# Altium PCB PCB1.PcbDoc (part 3 of 4) (continued)
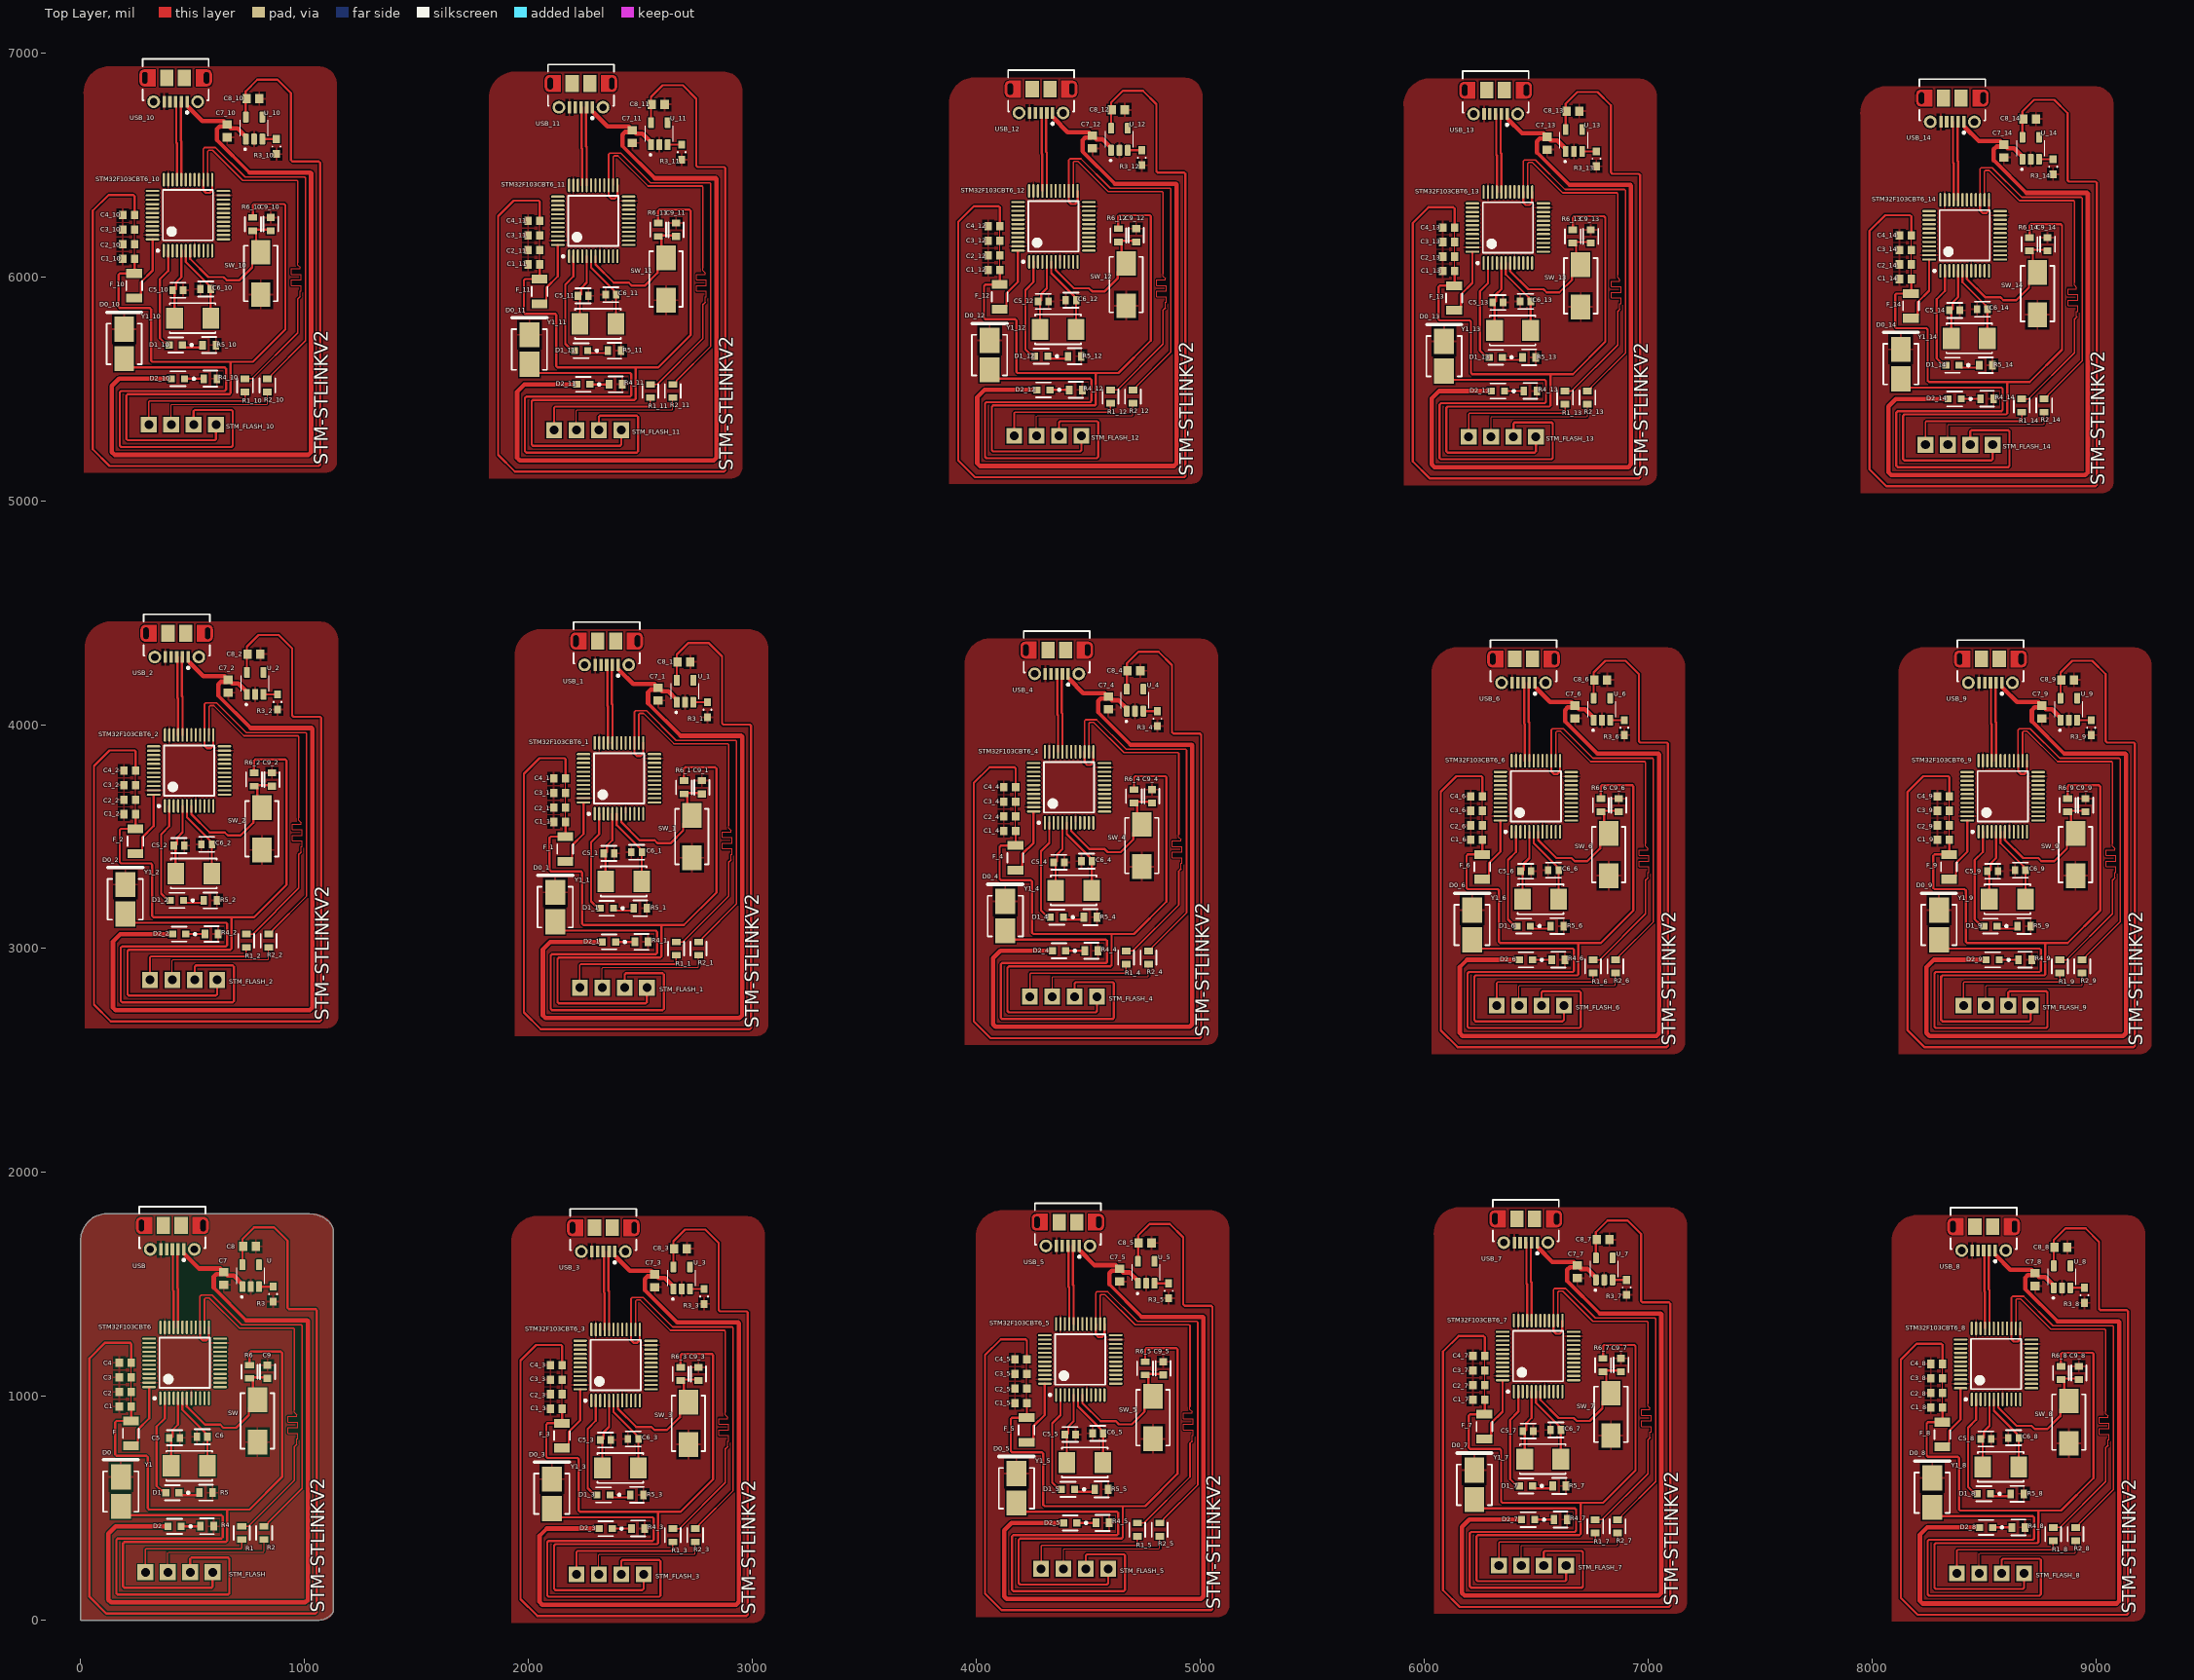
[diagram p0: Top Layer view]
## Nets (pads, with @x,y where several pads share a name; then routed paths per layer and width w, separated by ;. In a path a pad name is that pad's centre, name@x,y a point inside that pad or via, vN(x,y) a via of type N, cw(c..) or ccw(c..) an arc to the next point about the centre after c; other vN are vias at no path point) (continued)
  Top Layer w10: 195,5634.06 195,5624.06 224.06,5595 644.14,5595 650,5589.14 650,5495.86 644.14,5490 180.86,5490 175,5484.14 175,5245.86 180.86,5240 674.14,5240 680,5245.86 680,5399.14 674.14,5405 510.86,5405 505,5399.14 505,5340 ; 200,3154.06 200,3144.06 229.06,3115 649.14,3115 655,3109.14 655,3015.86 649.14,3010 185.86,3010 180,3004.14 180,2765.86 185.86,2760 679.14,2760 685,2765.86 685,2919.14 679.14,2925 515.86,2925 510,2919.14 510,2860 ; 240,5904.76 255.75,5904.76 270.43,5919.45 270.43,5976.17 321.54,6027.28 321.54,6166.73 ; 241.57,6080 241.57,6016.57 240,6015 175.86,6015 170,6009.14 170,5865.86 175.86,5860 309.14,5860 315,5854.14 315,5625.86 320.86,5620 670,5620 ; 241.57,6275 241.57,6359.14 235.72,6365 125,6365 55,6295 55,5230 130,5155 1064.14,5155 1070,5160.86 1070,6509.14 1064.14,6515 945.86,6515 940,6520.86 940,6820 880,6880 790,6880 737.99,6827.99 737.99,6795 737.99,6713.03 ; 245,3424.76 260.75,3424.76 275.43,3439.45 275.43,3496.17 326.54,3547.28 326.54,3686.73 ; 246.57,3600 246.57,3536.57 245,3535 180.86,3535 175,3529.14 175,3385.86 180.86,3380 314.14,3380 320,3374.14 320,3145.86 325.86,3140 675,3140 ; 246.57,3795 246.57,3879.14 240.72,3885 130,3885 60,3815 60,2750 135,2675 1069.14,2675 1075,2680.86 1075,4029.14 1069.14,4035 950.86,4035 945,4040.86 945,4340 885,4400 795,4400 742.99,4347.99 742.99,4315 742.99,4233.03 ; 391.42,6116.54 391.42,6026.42 355,5990 355,5725.52 374.77,5705.75 385.2,5705.75 395.94,5695 ; 396.42,3636.54 396.42,3546.42 360,3510 360,3245.52 379.77,3225.75 390.2,3225.75 400.94,3215 ; 411.38,5940 416.38,5945 426.38,5945 426.38,5975 450.47,5999.09 450.47,6090.94 450.47,6116.54 ; 416.38,3460 421.38,3465 431.38,3465 431.38,3495 455.47,3519.09 455.47,3610.94 455.47,3636.54 ; 420,5815 420,5931.38 ; 425,3335 425,3451.38 ; 425,6781.85 427.8,6781.85 427.8,6599.15 430.79,6596.16 430.79,6433.46 ; 430,4301.85 432.8,4301.85 432.8,4119.15 435.79,4116.16 435.79,3953.46 ; 450.47,6433.46 450.79,6433.78 450.79,6604.45 447.8,6607.44 447.8,6781.85 450.59,6781.85 ; 455,5695 465.75,5684.25 535.71,5684.25 545.47,5694.02 545.47,5695 ; 455.47,3953.46 455.79,3953.78 455.79,4124.45 452.8,4127.44 452.8,4301.85 455.59,4301.85 ; 460,3215 470.75,3204.25 540.71,3204.25 550.47,3214.02 550.47,3215 ; 464.9,5544.63 550.1,5544.63 550.47,5545 ; 469.9,3064.63 555.1,3064.63 555.47,3065 ; 470.16,6116.54 470.16,6090.94 470.16,6065.9 572.48,5963.57 572.48,5953.94 581.83,5944.59 ; 475.16,3636.54 475.16,3610.94 475.16,3585.9 577.48,3483.57 577.48,3473.94 586.83,3464.59 ; 489.84,6116.54 489.84,6080.16 571.14,5998.86 639.04,5998.86 652.89,5985 710,5985 766.69,6041.69 766.69,6071.18 805,6109.49 ; 494.84,3636.54 494.84,3600.16 576.14,3518.86 644.04,3518.86 657.89,3505 715,3505 771.69,3561.69 771.69,3591.18 810,3629.49 ; 548.9,6433.46 548.9,6386.1 560,6375 577.07,6375 588.27,6386.2 588.27,6433.46 ; 553.9,3953.46 553.9,3906.1 565,3895 582.07,3895 593.27,3906.2 593.27,3953.46 ; 581.42,5815 581.42,5944.17 ; 586.42,3335 586.42,3464.17 ; 605,5340 605,5275.86 599.14,5270 210.86,5270 205,5275.86 205,5469.14 210.86,5475 664.14,5475 670,5480.86 670,5620 ; 610,2860 610,2795.86 604.14,2790 215.86,2790 210,2795.86 210,2989.14 215.86,2995 669.14,2995 675,3000.86 675,3140 ; 770,6205.47 774.76,6205.47 784.53,6195.71 784.53,6129.96 ; 770,6264.53 770,6319.14 775.86,6325 909.14,6325 915,6319.14 915,5765 770,5620 670,5620 ; 775,3725.47 779.76,3725.47 789.53,3715.71 789.53,3649.96 ; 775,3784.53 775,3839.14 780.86,3845 914.14,3845 920,3839.14 920,3285 775,3140 675,3140 ; 779.53,6210 845.47,6210 850,6205.47 ; 784.53,3730 850.47,3730 855,3725.47 ; 812.01,6615 875,6615 ; 817.01,4135 880,4135 ; 2005,5609.06 2005,5599.06 2034.06,5570 2454.14,5570 2460,5564.14 2460,5470.86 2454.14,5465 1990.86,5465 1985,5459.14 1985,5220.86 1990.86,5215 2484.14,5215 2490,5220.86 2490,5374.14 2484.14,5380 2320.86,5380 2315,5374.14 2315,5315 ; 2050,5879.76 2065.75,5879.76 2080.43,5894.45 2080.43,5951.17 2131.54,6002.28 2131.54,6141.73 ; 2051.57,6055 2051.57,5991.57 2050,5990 1985.86,5990 1980,5984.14 1980,5840.86 1985.86,5835 2119.14,5835 2125,5829.14 2125,5600.86 2130.86,5595 2480,5595 ; 2051.57,6250 2051.57,6334.14 2045.72,6340 1935,6340 1865,6270 1865,5205 1940,5130 2874.14,5130 2880,5135.86 2880,6484.14 2874.14,6490 2755.86,6490 2750,6495.86 2750,6795 2690,6855 2600,6855 2547.99,6802.99 2547.99,6770 2547.99,6688.03 ; 2105,499.06 2105,489.06 2134.06,460 2554.14,460 2560,454.14 2560,360.86 2554.14,355 2090.86,355 2085,349.14 2085,110.86 2090.86,105 2584.14,105 2590,110.86 2590,264.14 2584.14,270 2420.86,270 2415,264.14 2415,205 ; 2120,3119.06 2120,3109.06 2149.06,3080 2569.14,3080 2575,3074.14 2575,2980.86 2569.14,2975 2105.86,2975 2100,2969.14 2100,2730.86 2105.86,2725 2599.14,2725 2605,2730.86 2605,2884.14 2599.14,2890 2435.86,2890 2430,2884.14 2430,2825 ; 2150,769.76 2165.75,769.76 2180.43,784.45 2180.43,841.17 2231.54,892.28 2231.54,1031.73 ; 2151.57,945 2151.57,881.57 2150,880 2085.86,880 2080,874.14 2080,730.86 2085.86,725 2219.14,725 2225,719.14 2225,490.86 2230.86,485 2580,485 ; 2151.57,1140 2151.57,1224.14 2145.72,1230 2035,1230 1965,1160 1965,95 2040,20 2974.14,20 2980,25.86 2980,1374.14 2974.14,1380 2855.86,1380 2850,1385.86 2850,1685 2790,1745 2700,1745 2647.99,1692.99 2647.99,1660 2647.99,1578.03 ; 2165,3389.76 2180.75,3389.76 2195.43,3404.45 2195.43,3461.17 2246.54,3512.28 2246.54,3651.73 ; 2166.57,3565 2166.57,3501.57 2165,3500 2100.86,3500 2095,3494.14 2095,3350.86 2100.86,3345 2234.14,3345 2240,3339.14 2240,3110.86 2245.86,3105 2595,3105 ; 2166.57,3760 2166.57,3844.14 2160.72,3850 2050,3850 1980,3780 1980,2715 2055,2640 2989.14,2640 2995,2645.86 2995,3994.14 2989.14,4000 2870.86,4000 2865,4005.86 2865,4305 2805,4365 2715,4365 2662.99,4312.99 2662.99,4280 2662.99,4198.03 ; 2201.42,6091.54 2201.42,6001.42 2165,5965 2165,5700.52 2184.77,5680.75 2195.2,5680.75 2205.94,5670 ; 2221.38,5915 2226.38,5920 2236.38,5920 2236.38,5950 2260.47,5974.09 2260.47,6065.94 2260.47,6091.54 ; 2230,5790 2230,5906.38 ; 2235,6756.85 2237.8,6756.85 2237.8,6574.15 2240.79,6571.16 2240.79,6408.46 ; 2260.47,6408.46 2260.79,6408.78 2260.79,6579.45 2257.8,6582.44 2257.8,6756.85 2260.59,6756.85 ; 2265,5670 2275.75,5659.25 2345.71,5659.25 2355.47,5669.02 2355.47,5670 ; 2274.9,5519.63 2360.1,5519.63 2360.47,5520 ; 2280.16,6091.54 2280.16,6065.94 2280.16,6040.9 2382.48,5938.57 2382.48,5928.94 2391.83,5919.59 ; 2299.84,6091.54 2299.84,6055.16 2381.14,5973.86 2449.04,5973.86 2462.89,5960 2520,5960 2576.69,6016.69 2576.69,6046.18 2615,6084.49 ; 2301.42,981.54 2301.42,891.42 2265,855 2265,590.52 2284.77,570.75 2295.2,570.75 2305.94,560 ; 2316.42,3601.54 2316.42,3511.42 2280,3475 2280,3210.52 2299.77,3190.75 2310.2,3190.75 2320.94,3180 ; 2321.38,805 2326.38,810 2336.38,810 2336.38,840 2360.47,864.09 2360.47,955.94 2360.47,981.54 ; 2330,680 2330,796.38 ; 2335,1646.85 2337.8,1646.85 2337.8,1464.15 2340.79,1461.16 2340.79,1298.46 ; 2336.38,3425 2341.38,3430 2351.38,3430 2351.38,3460 2375.47,3484.09 2375.47,3575.94 2375.47,3601.54 ; 2345,3300 2345,3416.38 ; 2350,4266.85 2352.8,4266.85 2352.8,4084.15 2355.79,4081.16 2355.79,3918.46 ; 2358.9,6408.46 2358.9,6361.1 2370,6350 2387.07,6350 2398.27,6361.2 2398.27,6408.46 ; 2360.47,1298.46 2360.79,1298.78 2360.79,1469.45 2357.8,1472.44 2357.8,1646.85 2360.59,1646.85 ; 2365,560 2375.75,549.25 2445.71,549.25 2455.47,559.02 2455.47,560 ; 2374.9,409.63 2460.1,409.63 2460.47,410 ; 2375.47,3918.46 2375.79,3918.78 2375.79,4089.45 2372.8,4092.44 2372.8,4266.85 2375.59,4266.85 ; 2380,3180 2390.75,3169.25 2460.71,3169.25 2470.47,3179.02 2470.47,3180 ; 2380.16,981.54 2380.16,955.94 2380.16,930.9 2482.48,828.57 2482.48,818.94 2491.83,809.59 ; 2389.9,3029.63 2475.1,3029.63 2475.47,3030 ; 2391.42,5790 2391.42,5919.17 ; 2395.16,3601.54 2395.16,3575.94 2395.16,3550.9 2497.48,3448.57 2497.48,3438.94 2506.83,3429.59 ; 2399.84,981.54 2399.84,945.16 2481.14,863.86 2549.04,863.86 2562.89,850 2620,850 2676.69,906.69 2676.69,936.18 2715,974.49 ; 2414.84,3601.54 2414.84,3565.16 2496.14,3483.86 2564.04,3483.86 2577.89,3470 2635,3470 2691.69,3526.69 2691.69,3556.18 2730,3594.49 ; 2415,5315 2415,5250.86 2409.14,5245 2020.86,5245 2015,5250.86 2015,5444.14 2020.86,5450 2474.14,5450 2480,5455.86 2480,5595 ; 2458.9,1298.46 2458.9,1251.1 2470,1240 2487.07,1240 2498.27,1251.2 2498.27,1298.46 ; 2473.9,3918.46 2473.9,3871.1 2485,3860 2502.07,3860 2513.27,3871.2 2513.27,3918.46 ; 2491.42,680 2491.42,809.17 ; 2506.42,3300 2506.42,3429.17 ; 2515,205 2515,140.86 2509.14,135 2120.86,135 2115,140.86 2115,334.14 2120.86,340 2574.14,340 2580,345.86 2580,485 ; 2530,2825 2530,2760.86 2524.14,2755 2135.86,2755 2130,2760.86 2130,2954.14 2135.86,2960 2589.14,2960 2595,2965.86 2595,3105 ; 2580,6180.47 2584.76,6180.47 2594.53,6170.71 2594.53,6104.96 ; 2580,6239.53 2580,6294.14 2585.86,6300 2719.14,6300 2725,6294.14 2725,5740 2580,5595 2480,5595 ; 2589.53,6185 2655.47,6185 2660,6180.47 ; 2622.01,6590 2685,6590 ; 2680,1070.47 2684.76,1070.47 2694.53,1060.71 2694.53,994.96 ; 2680,1129.53 2680,1184.14 2685.86,1190 2819.14,1190 2825,1184.14 2825,630 2680,485 2580,485 ; 2689.53,1075 2755.47,1075 2760,1070.47 ; 2695,3690.47 2699.76,3690.47 2709.53,3680.71 2709.53,3614.96 ; 2695,3749.53 2695,3804.14 2700.86,3810 2834.14,3810 2840,3804.14 2840,3250 2695,3105 2595,3105 ; 2704.53,3695 2770.47,3695 2775,3690.47 ; 2722.01,1480 2785,1480 ; 2737.01,4100 2800,4100 ; 4060,5584.06 4060,5574.06 4089.06,5545 4509.14,5545 4515,5539.14 4515,5445.86 4509.14,5440 4045.86,5440 4040,5434.14 4040,5195.86 4045.86,5190 4539.14,5190 4545,5195.86 4545,5349.14 4539.14,5355 4375.86,5355 4370,5349.14 4370,5290 ; 4105,5854.76 4120.75,5854.76 4135.43,5869.45 4135.43,5926.17 4186.54,5977.28 4186.54,6116.73 ; 4106.57,6030 4106.57,5966.57 4105,5965 4040.86,5965 4035,5959.14 4035,5815.86 4040.86,5810 4174.14,5810 4180,5804.14 4180,5575.86 4185.86,5570 4535,5570 ; 4106.57,6225 4106.57,6309.14 4100.72,6315 3990,6315 3920,6245 3920,5180 3995,5105 4929.14,5105 4935,5110.86 4935,6459.14 4929.14,6465 4810.86,6465 4805,6470.86 4805,6770 4745,6830 4655,6830 4602.99,6777.99 4602.99,6745 4602.99,6663.03 ; 4130,3079.06 4130,3069.06 4159.06,3040 4579.14,3040 4585,3034.14 4585,2940.86 4579.14,2935 4115.86,2935 4110,2929.14 4110,2690.86 4115.86,2685 4609.14,2685 4615,2690.86 4615,2844.14 4609.14,2850 4445.86,2850 4440,2844.14 4440,2785 ; 4175,3349.76 4190.75,3349.76 4205.43,3364.45 4205.43,3421.17 4256.54,3472.28 4256.54,3611.73 ; 4176.57,3525 4176.57,3461.57 4175,3460 4110.86,3460 4105,3454.14 4105,3310.86 4110.86,3305 4244.14,3305 4250,3299.14 4250,3070.86 4255.86,3065 4605,3065 ; 4176.57,3720 4176.57,3804.14 4170.72,3810 4060,3810 3990,3740 3990,2675 4065,2600 4999.14,2600 5005,2605.86 5005,3954.14 4999.14,3960 4880.86,3960 4875,3965.86 4875,4265 4815,4325 4725,4325 4672.99,4272.99 4672.99,4240 4672.99,4158.03 ; 4180,524.06 4180,514.06 4209.06,485 4629.14,485 4635,479.14 4635,385.86 4629.14,380 4165.86,380 4160,374.14 4160,135.86 4165.86,130 4659.14,130 4665,135.86 4665,289.14 4659.14,295 4495.86,295 4490,289.14 4490,230 ; 4225,794.76 4240.75,794.76 4255.43,809.45 4255.43,866.17 4306.54,917.28 4306.54,1056.73 ; 4226.57,970 4226.57,906.57 4225,905 4160.86,905 4155,899.14 4155,755.86 4160.86,750 4294.14,750 4300,744.14 4300,515.86 4305.86,510 4655,510 ; 4226.57,1165 4226.57,1249.14 4220.72,1255 4110,1255 4040,1185 4040,120 4115,45 5049.14,45 5055,50.86 5055,1399.14 5049.14,1405 4930.86,1405 4925,1410.86 4925,1710 4865,1770 4775,1770 4722.99,1717.99 4722.99,1685 4722.99,1603.03 ; 4256.42,6066.54 4256.42,5976.42 4220,5940 4220,5675.52 4239.77,5655.75 4250.2,5655.75 4260.94,5645 ; 4276.38,5890 4281.38,5895 4291.38,5895 4291.38,5925 4315.47,5949.09 4315.47,6040.94 4315.47,6066.54 ; 4285,5765 4285,5881.38 ; 4290,6731.85 4292.8,6731.85 4292.8,6549.15 4295.79,6546.16 4295.79,6383.46 ; 4315.47,6383.46 4315.79,6383.78 4315.79,6554.45 4312.8,6557.44 4312.8,6731.85 4315.59,6731.85 ; 4320,5645 4330.75,5634.25 4400.71,5634.25 4410.47,5644.02 4410.47,5645 ; 4326.42,3561.54 4326.42,3471.42 4290,3435 4290,3170.52 4309.77,3150.75 4320.2,3150.75 4330.94,3140 ; 4329.9,5494.63 4415.1,5494.63 4415.47,5495 ; 4335.16,6066.54 4335.16,6040.94 4335.16,6015.9 4437.48,5913.57 4437.48,5903.94 4446.83,5894.59 ; 4346.38,3385 4351.38,3390 4361.38,3390 4361.38,3420 4385.47,3444.09 4385.47,3535.94 4385.47,3561.54 ; 4354.84,6066.54 4354.84,6030.16 4436.14,5948.86 4504.04,5948.86 4517.89,5935 4575,5935 4631.69,5991.69 4631.69,6021.18 4670,6059.49 ; 4355,3260 4355,3376.38 ; 4360,4226.85 4362.8,4226.85 4362.8,4044.15 4365.79,4041.16 4365.79,3878.46 ; 4376.42,1006.54 4376.42,916.42 4340,880 4340,615.52 4359.77,595.75 4370.2,595.75 4380.94,585 ; 4385.47,3878.46 4385.79,3878.78 4385.79,4049.45 4382.8,4052.44 4382.8,4226.85 4385.59,4226.85 ; 4390,3140 4400.75,3129.25 4470.71,3129.25 4480.47,3139.02 4480.47,3140 ; 4396.38,830 4401.38,835 4411.38,835 4411.38,865 4435.47,889.09 4435.47,980.94 4435.47,1006.54 ; 4399.9,2989.63 4485.1,2989.63 4485.47,2990 ; 4405,705 4405,821.38 ; 4405.16,3561.54 4405.16,3535.94 4405.16,3510.9 4507.48,3408.57 4507.48,3398.94 4516.83,3389.59 ; 4410,1671.85 4412.8,1671.85 4412.8,1489.15 4415.79,1486.16 4415.79,1323.46 ; 4413.9,6383.46 4413.9,6336.1 4425,6325 4442.07,6325 4453.27,6336.2 4453.27,6383.46 ; 4424.84,3561.54 4424.84,3525.16 4506.14,3443.86 4574.04,3443.86 4587.89,3430 4645,3430 4701.69,3486.69 4701.69,3516.18 4740,3554.49 ; 4435.47,1323.46 4435.79,1323.78 4435.79,1494.45 4432.8,1497.44 4432.8,1671.85 4435.59,1671.85 ; 4440,585 4450.75,574.25 4520.71,574.25 4530.47,584.02 4530.47,585 ; 4446.42,5765 4446.42,5894.17 ; 4449.9,434.63 4535.1,434.63 4535.47,435 ; 4455.16,1006.54 4455.16,980.94 4455.16,955.9 4557.48,853.57 4557.48,843.94 4566.83,834.59 ; 4470,5290 4470,5225.86 4464.14,5220 4075.86,5220 4070,5225.86 4070,5419.14 4075.86,5425 4529.14,5425 4535,5430.86 4535,5570 ; 4474.84,1006.54 4474.84,970.16 4556.14,888.86 4624.04,888.86 4637.89,875 4695,875 4751.69,931.69 4751.69,961.18 4790,999.49 ; 4483.9,3878.46 4483.9,3831.1 4495,3820 4512.07,3820 4523.27,3831.2 4523.27,3878.46 ; 4516.42,3260 4516.42,3389.17 ; 4533.9,1323.46 4533.9,1276.1 4545,1265 4562.07,1265 4573.27,1276.2 4573.27,1323.46 ; 4540,2785 4540,2720.86 4534.14,2715 4145.86,2715 4140,2720.86 4140,2914.14 4145.86,2920 4599.14,2920 4605,2925.86 4605,3065 ; 4566.42,705 4566.42,834.17 ; 4590,230 4590,165.86 4584.14,160 4195.86,160 4190,165.86 4190,359.14 4195.86,365 4649.14,365 4655,370.86 4655,510 ; 4635,6155.47 4639.76,6155.47 4649.53,6145.71 4649.53,6079.96 ; 4635,6214.53 4635,6269.14 4640.86,6275 4774.14,6275 4780,6269.14 4780,5715 4635,5570 4535,5570 ; 4644.53,6160 4710.47,6160 4715,6155.47 ; 4677.01,6565 4740,6565 ; 4705,3650.47 4709.76,3650.47 4719.53,3640.71 4719.53,3574.96 ; 4705,3709.53 4705,3764.14 4710.86,3770 4844.14,3770 4850,3764.14 4850,3210 4705,3065 4605,3065 ; 4714.53,3655 4780.47,3655 4785,3650.47 ; 4747.01,4060 4810,4060 ; 4755,1095.47 4759.76,1095.47 4769.53,1085.71 4769.53,1019.96 ; 4755,1154.53 4755,1209.14 4760.86,1215 4894.14,1215 4900,1209.14 4900,655 4755,510 4655,510 ; 4764.53,1100 4830.47,1100 4835,1095.47 ; 4797.01,1505 4860,1505 ; 6090,5579.06 6090,5569.06 6119.06,5540 6539.14,5540 6545,5534.14 6545,5440.86 6539.14,5435 6075.86,5435 6070,5429.14 6070,5190.86 6075.86,5185 6569.14,5185 6575,5190.86 6575,5344.14 6569.14,5350 6405.86,5350 6400,5344.14 6400,5285 ; 6135,5849.76 6150.75,5849.76 6165.43,5864.45 6165.43,5921.17 6216.54,5972.28 6216.54,6111.73 ; 6136.57,6025 6136.57,5961.57 6135,5960 6070.86,5960 6065,5954.14 6065,5810.86 6070.86,5805 6204.14,5805 6210,5799.14 6210,5570.86 6215.86,5565 6565,5565 ; 6136.57,6220 6136.57,6304.14 6130.72,6310 6020,6310 5950,6240 5950,5175 6025,5100 6959.14,5100 6965,5105.86 6965,6454.14 6959.14,6460 6840.86,6460 6835,6465.86 6835,6765 6775,6825 6685,6825 6632.99,6772.99 6632.99,6740 6632.99,6658.03 ; 6215,3039.06 6215,3029.06 6244.06,3000 6664.14,3000 6670,2994.14 6670,2900.86 6664.14,2895 6200.86,2895 6195,2889.14 6195,2650.86 6200.86,2645 6694.14,2645 6700,2650.86 6700,2804.14 6694.14,2810 6530.86,2810 6525,2804.14 6525,2745 ; 6225,539.06 6225,529.06 6254.06,500 6674.14,500 6680,494.14 6680,400.86 6674.14,395 6210.86,395 6205,389.14 6205,150.86 6210.86,145 6704.14,145 6710,150.86 6710,304.14 6704.14,310 6540.86,310 6535,304.14 6535,245 ; 6260,3309.76 6275.75,3309.76 6290.43,3324.45 6290.43,3381.17 6341.54,3432.28 6341.54,3571.73 ; 6261.57,3485 6261.57,3421.57 6260,3420 6195.86,3420 6190,3414.14 6190,3270.86 6195.86,3265 6329.14,3265 6335,3259.14 6335,3030.86 6340.86,3025 6690,3025 ; 6261.57,3680 6261.57,3764.14 6255.72,3770 6145,3770 6075,3700 6075,2635 6150,2560 7084.14,2560 7090,2565.86 7090,3914.14 7084.14,3920 6965.86,3920 6960,3925.86 6960,4225 6900,4285 6810,4285 6757.99,4232.99 6757.99,4200 6757.99,4118.03 ; 6270,809.76 6285.75,809.76 6300.43,824.45 6300.43,881.17 6351.54,932.28 6351.54,1071.73 ; 6271.57,985 6271.57,921.57 6270,920 6205.86,920 6200,914.14 6200,770.86 6205.86,765 6339.14,765 6345,759.14 6345,530.86 6350.86,525 6700,525 ; 6271.57,1180 6271.57,1264.14 6265.72,1270 6155,1270 6085,1200 6085,135 6160,60 7094.14,60 7100,65.86 7100,1414.14 7094.14,1420 6975.86,1420 6970,1425.86 6970,1725 6910,1785 6820,1785 6767.99,1732.99 6767.99,1700 6767.99,1618.03 ; 6286.42,6061.54 6286.42,5971.42 6250,5935 6250,5670.52 6269.77,5650.75 6280.2,5650.75 6290.94,5640 ; 6306.38,5885 6311.38,5890 6321.38,5890 6321.38,5920 6345.47,5944.09 6345.47,6035.94 6345.47,6061.54 ; 6315,5760 6315,5876.38 ; 6320,6726.85 6322.8,6726.85 6322.8,6544.15 6325.79,6541.16 6325.79,6378.46 ; 6345.47,6378.46 6345.79,6378.78 6345.79,6549.45 6342.8,6552.44 6342.8,6726.85 6345.59,6726.85 ; 6350,5640 6360.75,5629.25 6430.71,5629.25 6440.47,5639.02 6440.47,5640 ; 6359.9,5489.63 6445.1,5489.63 6445.47,5490 ; 6365.16,6061.54 6365.16,6035.94 6365.16,6010.9 6467.48,5908.57 6467.48,5898.94 6476.83,5889.59 ; 6384.84,6061.54 6384.84,6025.16 6466.14,5943.86 6534.04,5943.86 6547.89,5930 6605,5930 6661.69,5986.69 6661.69,6016.18 6700,6054.49 ; 6411.42,3521.54 6411.42,3431.42 6375,3395 6375,3130.52 6394.77,3110.75 6405.2,3110.75 6415.94,3100 ; 6421.42,1021.54 6421.42,931.42 6385,895 6385,630.52 6404.77,610.75 6415.2,610.75 6425.94,600 ; 6431.38,3345 6436.38,3350 6446.38,3350 6446.38,3380 6470.47,3404.09 6470.47,3495.94 6470.47,3521.54 ; 6440,3220 6440,3336.38 ; 6441.38,845 6446.38,850 6456.38,850 6456.38,880 6480.47,904.09 6480.47,995.94 6480.47,1021.54 ; 6443.9,6378.46 6443.9,6331.1 6455,6320 6472.07,6320 6483.27,6331.2 6483.27,6378.46 ; 6445,4186.85 6447.8,4186.85 6447.8,4004.15 6450.79,4001.16 6450.79,3838.46 ; 6450,720 6450,836.38 ; 6455,1686.85 6457.8,1686.85 6457.8,1504.15 6460.79,1501.16 6460.79,1338.46 ; 6470.47,3838.46 6470.79,3838.78 6470.79,4009.45 6467.8,4012.44 6467.8,4186.85 6470.59,4186.85 ; 6475,3100 6485.75,3089.25 6555.71,3089.25 6565.47,3099.02 6565.47,3100 ; 6476.42,5760 6476.42,5889.17 ; 6480.47,1338.46 6480.79,1338.78 6480.79,1509.45 6477.8,1512.44 6477.8,1686.85 6480.59,1686.85 ; 6484.9,2949.63 6570.1,2949.63 6570.47,2950 ; 6485,600 6495.75,589.25 6565.71,589.25 6575.47,599.02 6575.47,600 ; 6490.16,3521.54 6490.16,3495.94 6490.16,3470.9 6592.48,3368.57 6592.48,3358.94 6601.83,3349.59 ; 6494.9,449.63 6580.1,449.63 6580.47,450 ; 6500,5285 6500,5220.86 6494.14,5215 6105.86,5215 6100,5220.86 6100,5414.14 6105.86,5420 6559.14,5420 6565,5425.86 6565,5565 ; 6500.16,1021.54 6500.16,995.94 6500.16,970.9 6602.48,868.57 6602.48,858.94 6611.83,849.59 ; 6509.84,3521.54 6509.84,3485.16 6591.14,3403.86 6659.04,3403.86 6672.89,3390 6730,3390 6786.69,3446.69 6786.69,3476.18 6825,3514.49 ; 6519.84,1021.54 6519.84,985.16 6601.14,903.86 6669.04,903.86 6682.89,890 6740,890 6796.69,946.69 6796.69,976.18 6835,1014.49 ; 6568.9,3838.46 6568.9,3791.1 6580,3780 6597.07,3780 6608.27,3791.2 6608.27,3838.46 ; 6578.9,1338.46 6578.9,1291.1 6590,1280 6607.07,1280 6618.27,1291.2 6618.27,1338.46 ; 6601.42,3220 6601.42,3349.17 ; 6611.42,720 6611.42,849.17 ; 6625,2745 6625,2680.86 6619.14,2675 6230.86,2675 6225,2680.86 6225,2874.14 6230.86,2880 6684.14,2880 6690,2885.86 6690,3025 ; 6635,245 6635,180.86 6629.14,175 6240.86,175 6235,180.86 6235,374.14 6240.86,380 6694.14,380 6700,385.86 6700,525 ; 6665,6150.47 6669.76,6150.47 6679.53,6140.71 6679.53,6074.96 ; 6665,6209.53 6665,6264.14 6670.86,6270 6804.14,6270 6810,6264.14 6810,5710 6665,5565 6565,5565 ; 6674.53,6155 6740.47,6155 6745,6150.47 ; 6707.01,6560 6770,6560 ; 6790,3610.47 6794.76,3610.47 6804.53,3600.71 6804.53,3534.96 ; 6790,3669.53 6790,3724.14 6795.86,3730 6929.14,3730 6935,3724.14 6935,3170 6790,3025 6690,3025 ; 6799.53,3615 6865.47,3615 6870,3610.47 ; 6800,1110.47 6804.76,1110.47 6814.53,1100.71 6814.53,1034.96 ; 6800,1169.53 6800,1224.14 6805.86,1230 6939.14,1230 6945,1224.14 6945,670 6800,525 6700,525 ; 6809.53,1115 6875.47,1115 6880,1110.47 ; 6832.01,4020 6895,4020 ; 6842.01,1520 6905,1520 ; 8130,5544.06 8130,5534.06 8159.06,5505 8579.14,5505 8585,5499.14 8585,5405.86 8579.14,5400 8115.86,5400 8110,5394.14 8110,5155.86 8115.86,5150 8609.14,5150 8615,5155.86 8615,5309.14 8609.14,5315 8445.86,5315 8440,5309.14 8440,5250 ; 8175,5814.76 8190.75,5814.76 8205.43,5829.45 8205.43,5886.17 8256.54,5937.28 8256.54,6076.73 ; 8176.57,5990 8176.57,5926.57 8175,5925 8110.86,5925 8105,5919.14 8105,5775.86 8110.86,5770 8244.14,5770 8250,5764.14 8250,5535.86 8255.86,5530 8605,5530 ; 8176.57,6185 8176.57,6269.14 8170.72,6275 8060,6275 7990,6205 7990,5140 8065,5065 8999.14,5065 9005,5070.86 9005,6419.14 8999.14,6425 8880.86,6425 8875,6430.86 8875,6730 8815,6790 8725,6790 8672.99,6737.99 8672.99,6705 8672.99,6623.03 ; 8270,504.06 8270,494.06 8299.06,465 8719.14,465 8725,459.14 8725,365.86 8719.14,360 8255.86,360 8250,354.14 8250,115.86 8255.86,110 8749.14,110 8755,115.86 8755,269.14 8749.14,275 8585.86,275 8580,269.14 8580,210 ; 8300,3039.06 8300,3029.06 8329.06,3000 8749.14,3000 8755,2994.14 8755,2900.86 8749.14,2895 8285.86,2895 8280,2889.14 8280,2650.86 8285.86,2645 8779.14,2645 8785,2650.86 8785,2804.14 8779.14,2810 8615.86,2810 8610,2804.14 8610,2745 ; 8315,774.76 8330.75,774.76 8345.43,789.45 8345.43,846.17 8396.54,897.28 8396.54,1036.73 ; 8316.57,950 8316.57,886.57 8315,885 8250.86,885 8245,879.14 8245,735.86 8250.86,730 8384.14,730 8390,724.14 8390,495.86 8395.86,490 8745,490 ; 8316.57,1145 8316.57,1229.14 8310.72,1235 8200,1235 8130,1165 8130,100 8205,25 9139.14,25 9145,30.86 9145,1379.14 9139.14,1385 9020.86,1385 9015,1390.86 9015,1690 8955,1750 8865,1750 8812.99,1697.99 8812.99,1665 8812.99,1583.03 ; 8326.42,6026.54 8326.42,5936.42 8290,5900 8290,5635.52 8309.77,5615.75 8320.2,5615.75 8330.94,5605 ; 8345,3309.76 8360.75,3309.76 8375.43,3324.45 8375.43,3381.17 8426.54,3432.28 8426.54,3571.73 ; 8346.38,5850 8351.38,5855 8361.38,5855 8361.38,5885 8385.47,5909.09 8385.47,6000.94 8385.47,6026.54 ; 8346.57,3485 8346.57,3421.57 8345,3420 8280.86,3420 8275,3414.14 8275,3270.86 8280.86,3265 8414.14,3265 8420,3259.14 8420,3030.86 8425.86,3025 8775,3025 ; 8346.57,3680 8346.57,3764.14 8340.72,3770 8230,3770 8160,3700 8160,2635 8235,2560 9169.14,2560 9175,2565.86 9175,3914.14 9169.14,3920 9050.86,3920 9045,3925.86 9045,4225 8985,4285 8895,4285 8842.99,4232.99 8842.99,4200 8842.99,4118.03 ; 8355,5725 8355,5841.38 ; 8360,6691.85 8362.8,6691.85 8362.8,6509.15 8365.79,6506.16 8365.79,6343.46 ; 8385.47,6343.46 8385.79,6343.78 8385.79,6514.45 8382.8,6517.44 8382.8,6691.85 8385.59,6691.85 ; 8390,5605 8400.75,5594.25 8470.71,5594.25 8480.47,5604.02 8480.47,5605 ; 8399.9,5454.63 8485.1,5454.63 8485.47,5455 ; 8405.16,6026.54 8405.16,6000.94 8405.16,5975.9 8507.48,5873.57 8507.48,5863.94 8516.83,5854.59 ; 8424.84,6026.54 8424.84,5990.16 8506.14,5908.86 8574.04,5908.86 8587.89,5895 8645,5895 8701.69,5951.69 8701.69,5981.18 8740,6019.49 ; 8466.42,986.54 8466.42,896.42 8430,860 8430,595.52 8449.77,575.75 8460.2,575.75 8470.94,565 ; 8483.9,6343.46 8483.9,6296.1 8495,6285 8512.07,6285 8523.27,6296.2 8523.27,6343.46 ; 8486.38,810 8491.38,815 8501.38,815 8501.38,845 8525.47,869.09 8525.47,960.94 8525.47,986.54 ; 8495,685 8495,801.38 ; 8496.42,3521.54 8496.42,3431.42 8460,3395 8460,3130.52 8479.77,3110.75 8490.2,3110.75 8500.94,3100 ; 8500,1651.85 8502.8,1651.85 8502.8,1469.15 8505.79,1466.16 8505.79,1303.46 ; 8516.38,3345 8521.38,3350 8531.38,3350 8531.38,3380 8555.47,3404.09 8555.47,3495.94 8555.47,3521.54 ; 8516.42,5725 8516.42,5854.17 ; 8525,3220 8525,3336.38 ; 8525.47,1303.46 8525.79,1303.78 8525.79,1474.45 8522.8,1477.44 8522.8,1651.85 8525.59,1651.85 ; 8530,565 8540.75,554.25 8610.71,554.25 8620.47,564.02 8620.47,565 ; 8530,4186.85 8532.8,4186.85 8532.8,4004.15 8535.79,4001.16 8535.79,3838.46 ; 8539.9,414.63 8625.1,414.63 8625.47,415 ; 8540,5250 8540,5185.86 8534.14,5180 8145.86,5180 8140,5185.86 8140,5379.14 8145.86,5385 8599.14,5385 8605,5390.86 8605,5530 ; 8545.16,986.54 8545.16,960.94 8545.16,935.9 8647.48,833.57 8647.48,823.94 8656.83,814.59 ; 8555.47,3838.46 8555.79,3838.78 8555.79,4009.45 8552.8,4012.44 8552.8,4186.85 8555.59,4186.85 ; 8560,3100 8570.75,3089.25 8640.71,3089.25 8650.47,3099.02 8650.47,3100 ; 8564.84,986.54 8564.84,950.16 8646.14,868.86 8714.04,868.86 8727.89,855 8785,855 8841.69,911.69 8841.69,941.18 8880,979.49 ; 8569.9,2949.63 8655.1,2949.63 8655.47,2950 ; 8575.16,3521.54 8575.16,3495.94 8575.16,3470.9 8677.48,3368.57 8677.48,3358.94 8686.83,3349.59 ; 8594.84,3521.54 8594.84,3485.16 8676.14,3403.86 8744.04,3403.86 8757.89,3390 8815,3390 8871.69,3446.69 8871.69,3476.18 8910,3514.49 ; 8623.9,1303.46 8623.9,1256.1 8635,1245 8652.07,1245 8663.27,1256.2 8663.27,1303.46 ; 8653.9,3838.46 8653.9,3791.1 8665,3780 8682.07,3780 8693.27,3791.2 8693.27,3838.46 ; 8656.42,685 8656.42,814.17 ; 8680,210 8680,145.86 8674.14,140 8285.86,140 8280,145.86 8280,339.14 8285.86,345 8739.14,345 8745,350.86 8745,490 ; 8686.42,3220 8686.42,3349.17 ; 8705,6115.47 8709.76,6115.47 8719.53,6105.71 8719.53,6039.96 ; 8705,6174.53 8705,6229.14 8710.86,6235 8844.14,6235 8850,6229.14 8850,5675 8705,5530 8605,5530 ; 8710,2745 8710,2680.86 8704.14,2675 8315.86,2675 8310,2680.86 8310,2874.14 8315.86,2880 8769.14,2880 8775,2885.86 8775,3025 ; 8714.53,6120 8780.47,6120 8785,6115.47 ; 8747.01,6525 8810,6525 ; 8845,1075.47 8849.76,1075.47 8859.53,1065.71 8859.53,999.96 ; 8845,1134.53 8845,1189.14 8850.86,1195 8984.14,1195 8990,1189.14 8990,635 8845,490 8745,490 ; 8854.53,1080 8920.47,1080 8925,1075.47 ; 8875,3610.47 8879.76,3610.47 8889.53,3600.71 8889.53,3534.96 ; 8875,3669.53 8875,3724.14 8880.86,3730 9014.14,3730 9020,3724.14 9020,3170 8875,3025 8775,3025 ; 8884.53,3615 8950.47,3615 8955,3610.47 ; 8887.01,1485 8950,1485 ; 8917.01,4020 8980,4020 ; 784.53,6129.96 805,6109.49 ; 784.53,6129.96 805,6109.49 ; 789.53,3649.96 810,3629.49 ; 789.53,3649.96 810,3629.49 ; 2594.53,6104.96 2615,6084.49 ; 2594.53,6104.96 2615,6084.49 ; 2694.53,994.96 2715,974.49 ; 2694.53,994.96 2715,974.49 ; 2709.53,3614.96 2730,3594.49 ; 2709.53,3614.96 2730,3594.49 ; 4649.53,6079.96 4670,6059.49 ; 4649.53,6079.96 4670,6059.49 ; 4719.53,3574.96 4740,3554.49 ; 4719.53,3574.96 4740,3554.49 ; 4769.53,1019.96 4790,999.49 ; 4769.53,1019.96 4790,999.49 ; 6679.53,6074.96 6700,6054.49 ; 6679.53,6074.96 6700,6054.49 ; 6804.53,3534.96 6825,3514.49 ; 6804.53,3534.96 6825,3514.49 ; 6814.53,1034.96 6835,1014.49 ; 6814.53,1034.96 6835,1014.49 ; 8719.53,6039.96 8740,6019.49 ; 8719.53,6039.96 8740,6019.49 ; 8859.53,999.96 8880,979.49 ; 8859.53,999.96 8880,979.49 ; 8889.53,3534.96 8910,3514.49 ; 8889.53,3534.96 8910,3514.49
  Top Layer w16: 610,6610 755,6465 ; 615,4130 760,3985 ; 2420,6585 2565,6440 ; 2520,1475 2665,1330 ; 2535,4095 2680,3950 ; 4475,6560 4620,6415 ; 4545,4055 4690,3910 ; 4595,1500 4740,1355 ; 6505,6555 6650,6410 ; 6630,4015 6775,3870 ; 6640,1515 6785,1370 ; 8545,6520 8690,6375 ; 8685,1480 8830,1335 ; 8715,4015 8860,3870
  Top Layer w20: 405.85,5544.63 172.62,5544.63 140,5512 140,5216.72 151.72,5205 1018.28,5205 1030,5216.72 1030,6462.07 ; 410.85,3064.63 177.62,3064.63 145,3032 145,2736.72 156.72,2725 1023.28,2725 1035,2736.72 1035,3982.07 ; 481.56,6757.78 543.13,6696.2 638.8,6696.2 ; 486.56,4277.78 548.13,4216.2 643.8,4216.2 ; 610,6610 610,6659.77 621.72,6671.49 646.49,6671.49 655,6680 ; 615,4130 615,4179.77 626.72,4191.49 651.49,4191.49 660,4200 ; 671.2,6663.8 700.41,6663.8 737.99,6626.22 ; 676.2,4183.8 705.41,4183.8 742.99,4146.22 ; 755,6465 1027.07,6465 ; 760,3985 1032.07,3985 ; 2215.85,5519.63 1982.62,5519.63 1950,5487 1950,5191.72 1961.72,5180 2828.28,5180 2840,5191.72 2840,6437.07 ; 2291.56,6732.78 2353.13,6671.2 2448.8,6671.2 ; 2315.85,409.63 2082.62,409.63 2050,377 2050,81.72 2061.72,70 2928.28,70 2940,81.72 2940,1327.07 ; 2330.85,3029.63 2097.62,3029.63 2065,2997 2065,2701.72 2076.72,2690 2943.28,2690 2955,2701.72 2955,3947.07 ; 2391.56,1622.78 2453.13,1561.2 2548.8,1561.2 ; 2406.56,4242.78 2468.13,4181.2 2563.8,4181.2 ; 2420,6585 2420,6634.77 2431.72,6646.49 2456.49,6646.49 2465,6655 ; 2481.2,6638.8 2510.41,6638.8 2547.99,6601.22 ; 2520,1475 2520,1524.77 2531.72,1536.49 2556.49,1536.49 2565,1545 ; 2535,4095 2535,4144.77 2546.72,4156.49 2571.49,4156.49 2580,4165 ; 2565,6440 2837.07,6440 ; 2581.2,1528.8 2610.41,1528.8 2647.99,1491.22 ; 2596.2,4148.8 2625.41,4148.8 2662.99,4111.22 ; 2665,1330 2937.07,1330 ; 2680,3950 2952.07,3950 ; 4270.85,5494.63 4037.62,5494.63 4005,5462 4005,5166.72 4016.72,5155 4883.28,5155 4895,5166.72 4895,6412.07 ; 4340.85,2989.63 4107.62,2989.63 4075,2957 4075,2661.72 4086.72,2650 4953.28,2650 4965,2661.72 4965,3907.07 ; 4346.56,6707.78 4408.13,6646.2 4503.8,6646.2 ; 4390.85,434.63 4157.62,434.63 4125,402 4125,106.72 4136.72,95 5003.28,95 5015,106.72 5015,1352.07 ; 4416.56,4202.78 4478.13,4141.2 4573.8,4141.2 ; 4466.56,1647.78 4528.13,1586.2 4623.8,1586.2 ; 4475,6560 4475,6609.77 4486.72,6621.49 4511.49,6621.49 4520,6630 ; 4536.2,6613.8 4565.41,6613.8 4602.99,6576.22 ; 4545,4055 4545,4104.77 4556.72,4116.49 4581.49,4116.49 4590,4125 ; 4595,1500 4595,1549.77 4606.72,1561.49 4631.49,1561.49 4640,1570 ; 4606.2,4108.8 4635.41,4108.8 4672.99,4071.22 ; 4620,6415 4892.07,6415 ; 4656.2,1553.8 4685.41,1553.8 4722.99,1516.22 ; 4690,3910 4962.07,3910 ; 4740,1355 5012.07,1355 ; 6300.85,5489.63 6067.62,5489.63 6035,5457 6035,5161.72 6046.72,5150 6913.28,5150 6925,5161.72 6925,6407.07 ; 6376.56,6702.78 6438.13,6641.2 6533.8,6641.2 ; 6425.85,2949.63 6192.62,2949.63 6160,2917 6160,2621.72 6171.72,2610 7038.28,2610 7050,2621.72 7050,3867.07 ; 6435.85,449.63 6202.62,449.63 6170,417 6170,121.72 6181.72,110 7048.28,110 7060,121.72 7060,1367.07 ; 6501.56,4162.78 6563.13,4101.2 6658.8,4101.2 ; 6505,6555 6505,6604.77 6516.72,6616.49 6541.49,6616.49 6550,6625 ; 6511.56,1662.78 6573.13,1601.2 6668.8,1601.2 ; 6566.2,6608.8 6595.41,6608.8 6632.99,6571.22 ; 6630,4015 6630,4064.77 6641.72,4076.49 6666.49,4076.49 6675,4085 ; 6640,1515 6640,1564.77 6651.72,1576.49 6676.49,1576.49 6685,1585 ; 6650,6410 6922.07,6410 ; 6691.2,4068.8 6720.41,4068.8 6757.99,4031.22 ; 6701.2,1568.8 6730.41,1568.8 6767.99,1531.22 ; 6775,3870 7047.07,3870 ; 6785,1370 7057.07,1370 ; 8340.85,5454.63 8107.62,5454.63 8075,5422 8075,5126.72 8086.72,5115 8953.28,5115 8965,5126.72 8965,6372.07 ; 8416.56,6667.78 8478.13,6606.2 8573.8,6606.2 ; 8480.85,414.63 8247.62,414.63 8215,382 8215,86.72 8226.72,75 9093.28,75 9105,86.72 9105,1332.07 ; 8510.85,2949.63 8277.62,2949.63 8245,2917 8245,2621.72 8256.72,2610 9123.28,2610 9135,2621.72 9135,3867.07 ; 8545,6520 8545,6569.77 8556.72,6581.49 8581.49,6581.49 8590,6590 ; 8556.56,1627.78 8618.13,1566.2 8713.8,1566.2 ; 8586.56,4162.78 8648.13,4101.2 8743.8,4101.2 ; 8606.2,6573.8 8635.41,6573.8 8672.99,6536.22 ; 8685,1480 8685,1529.77 8696.72,1541.49 8721.49,1541.49 8730,1550 ; 8690,6375 8962.07,6375 ; 8715,4015 8715,4064.77 8726.72,4076.49 8751.49,4076.49 8760,4085 ; 8746.2,1533.8 8775.41,1533.8 8812.99,1496.22 ; 8776.2,4068.8 8805.41,4068.8 8842.99,4031.22 ; 8830,1335 9102.07,1335 ; 8860,3870 9132.07,3870

## Polygon pours and split planes (outlines as drawn)
no net on Top Layer "NONET_L01_P021" (solid, remove dead copper, pour order 21): 7950,6721.51 cw(c8066.74,6733.26) 8055,6850 8996.72,6850 cw(c8996.72,6766.72) 9080,6766.72 9080,5084.14 cw(c9030.86,5084.14) 9030.86,5035 7950,5035
no net on Top Layer "NONET_L01_P020" (solid, remove dead copper, pour order 20): 5910,6756.51 cw(c6026.74,6768.26) 6015,6885 6956.72,6885 cw(c6956.72,6801.72) 7040,6801.72 7040,5119.14 cw(c6990.86,5119.14) 6990.86,5070 5910,5070
no net on Top Layer "NONET_L01_P019" (solid, remove dead copper, pour order 19): 3880,6761.51 cw(c3996.74,6773.26) 3985,6890 4926.72,6890 cw(c4926.72,6806.72) 5010,6806.72 5010,5124.14 cw(c4960.86,5124.14) 4960.86,5075 3880,5075
no net on Top Layer "NONET_L01_P018" (solid, remove dead copper, pour order 18): 1825,6786.51 cw(c1941.74,6798.26) 1930,6915 2871.72,6915 cw(c2871.72,6831.72) 2955,6831.72 2955,5149.14 cw(c2905.86,5149.14) 2905.86,5100 1825,5100